# Altium PCB pololu_3pi+_jlcpcb.PcbDoc
Units mm, origin at the board's own origin, x right, y up, seen from the top; angles counter-clockwise.
Board outline 66 x 85.1 mm, 4 copper layers (Top Layer, GND, Power, Bottom Layer), stack 1.718 mm thick; 103 components, 62 nets, 329 pads, 128 vias.
Unrouted connection lines stored in the file: 13.
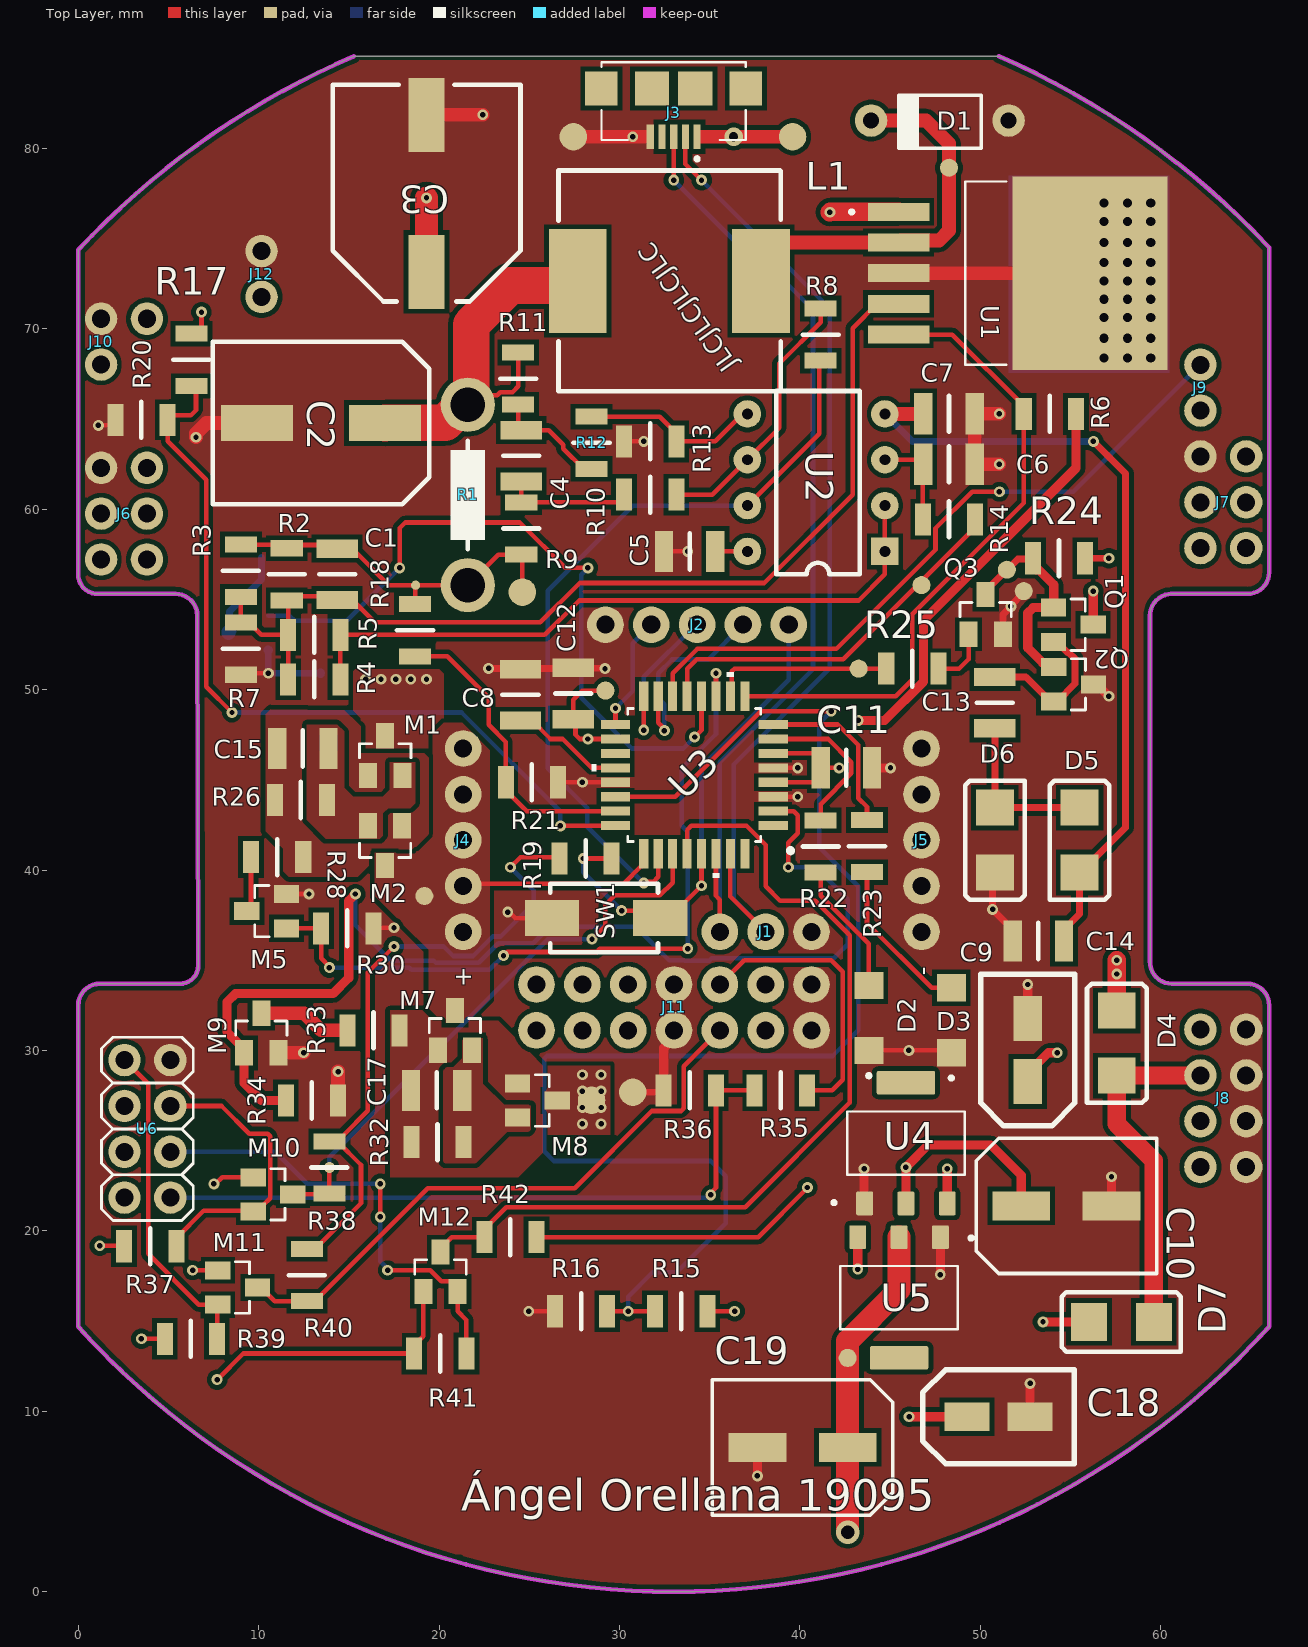
[diagram p0: Top Layer view]
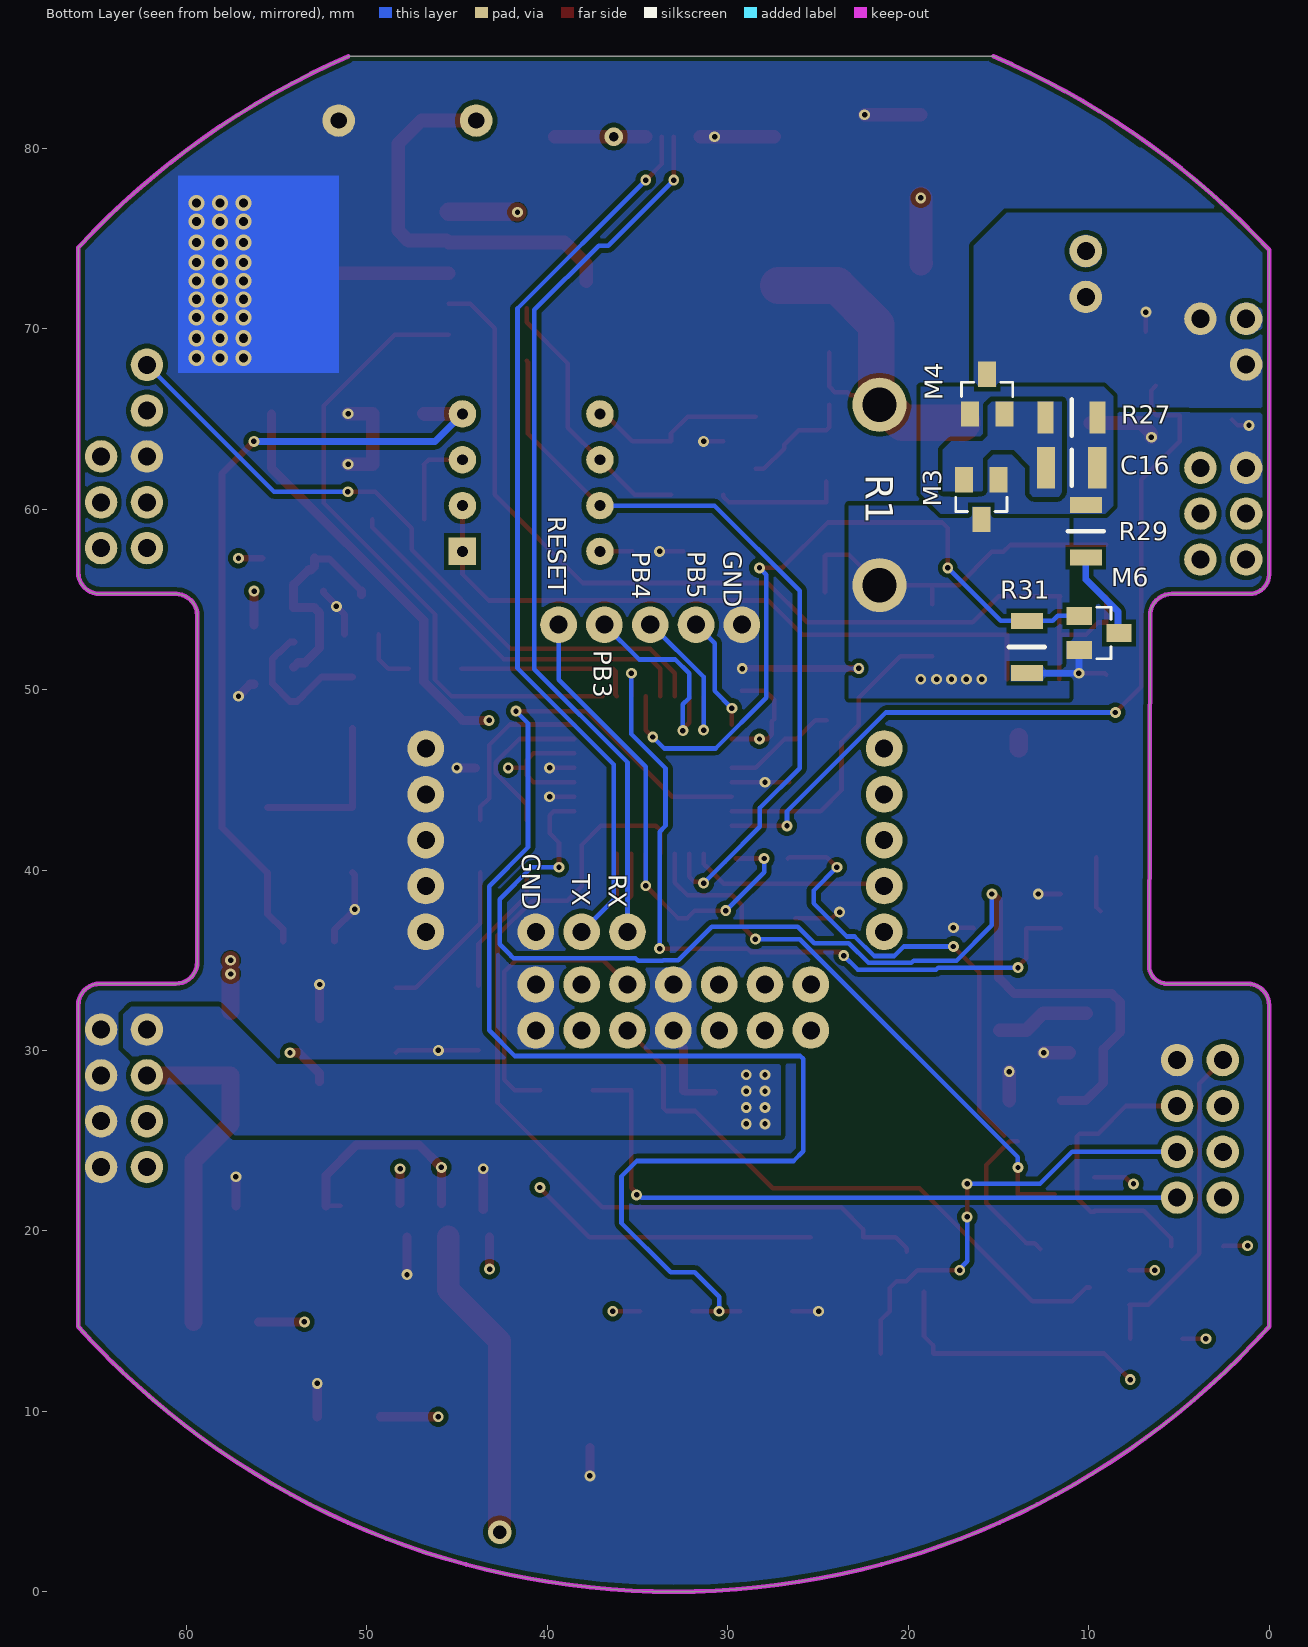
[diagram p1: Bottom Layer view, seen from below]
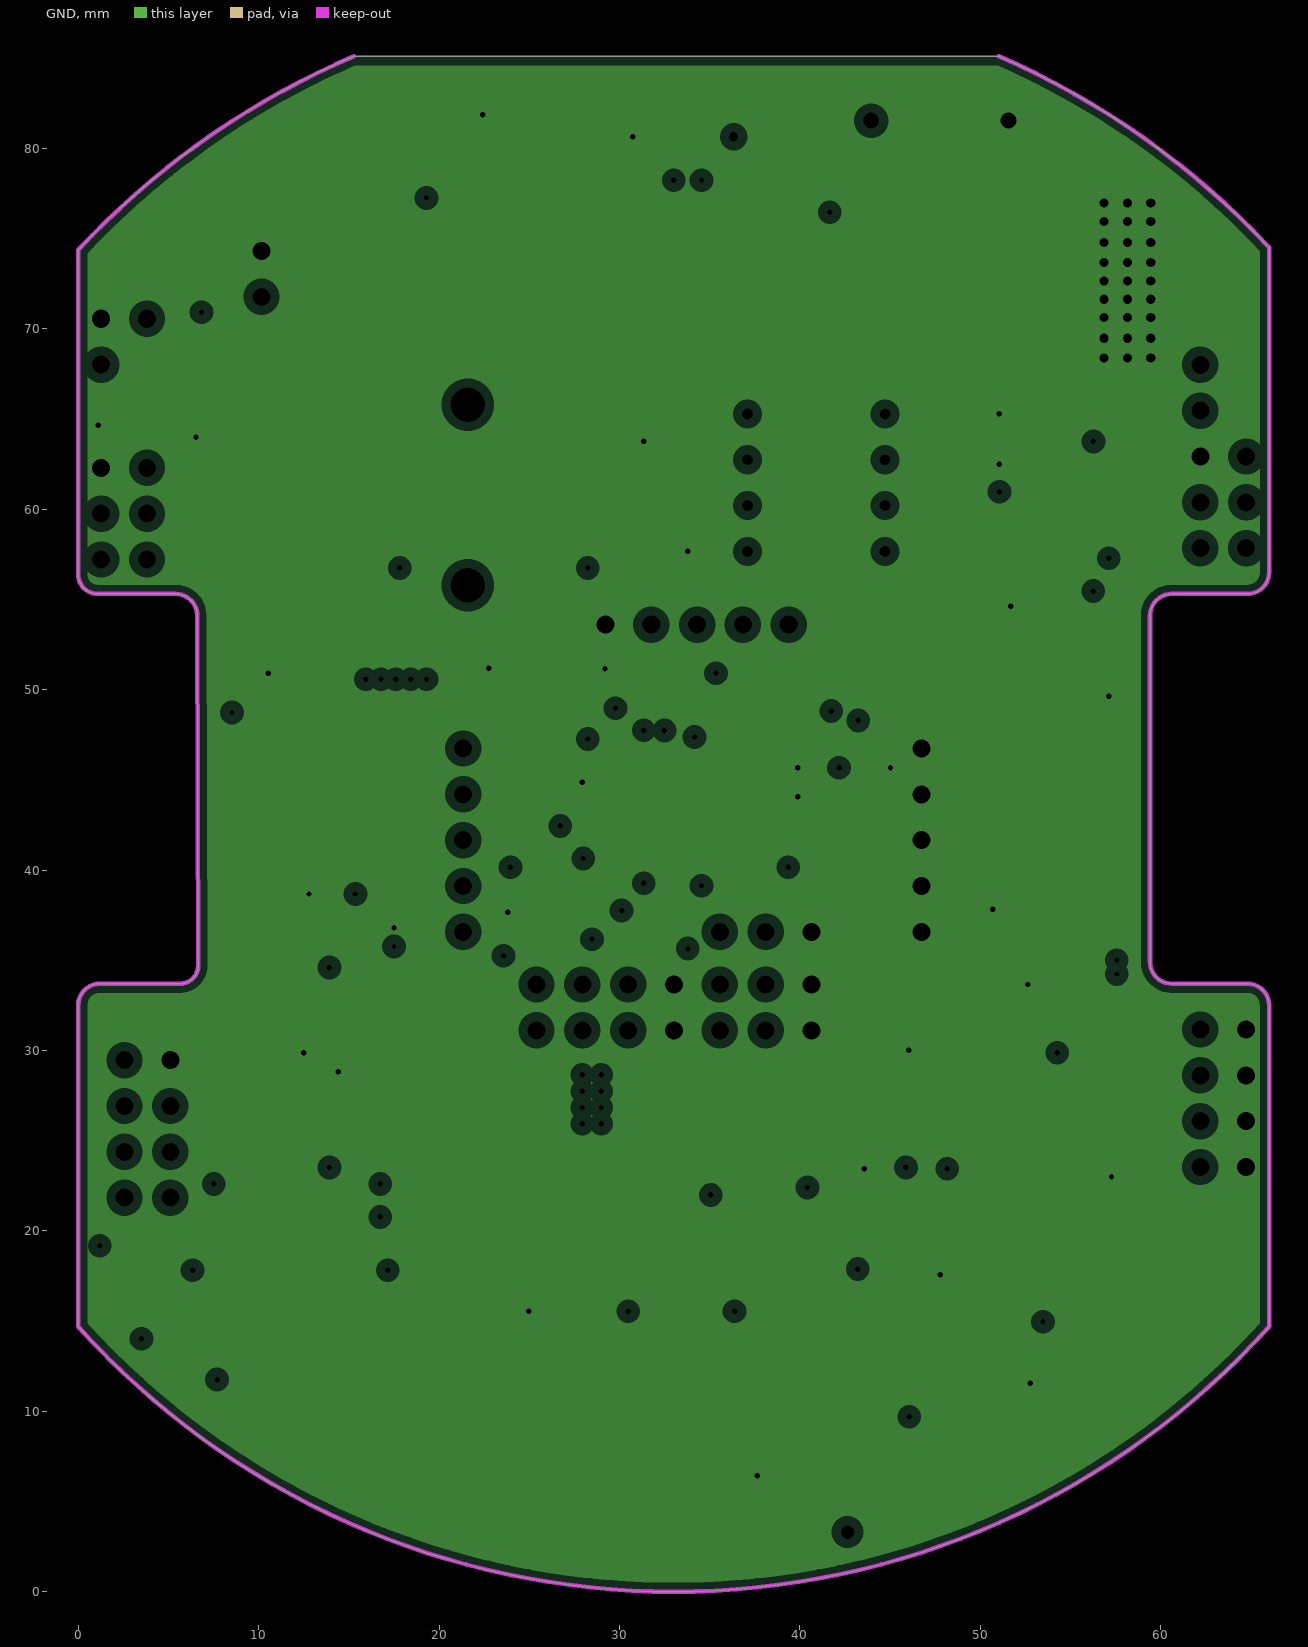
[diagram p2: GND, clearances drawn from the general rule]
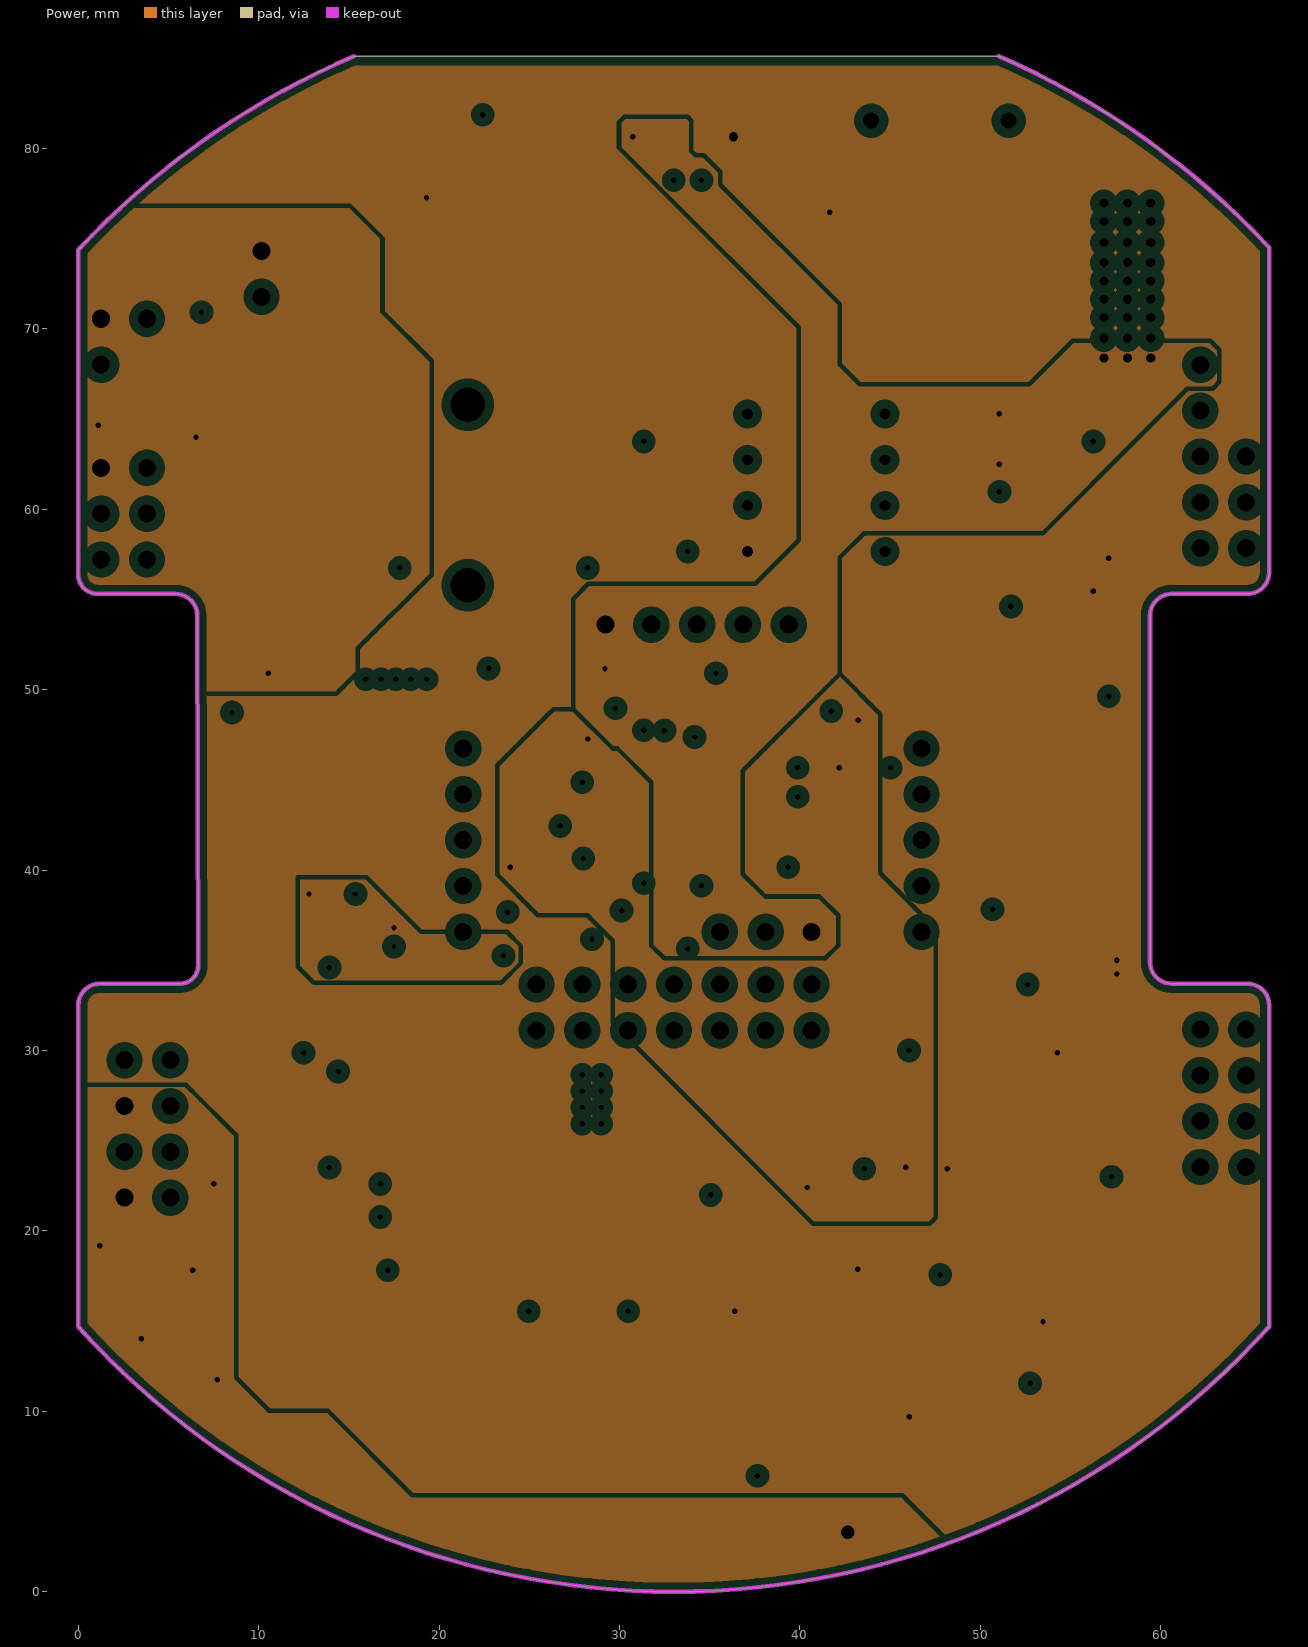
[diagram p3: Power, clearances drawn from the general rule]

## Layer stack, top to bottom
Top Solder: solder mask 0.03, Solder Resist, Dk 3.8
Top Layer: signal copper 0.035
Dielectric 2: prepreg 0.0711, PP-006, Dk 4.1
GND: plane copper 0.035, net GND
Dielectric 1: prepreg 0.203, 7628, Dk 4.4
Dielectric 3: core 1.03, 7628, Dk 4.6
Dielectric 5: prepreg 0.203, 7628, Dk 4.4
Power: plane copper 0.035, net (Multiple Nets)
Dielectric 4: prepreg 0.0711, PP-006, Dk 4.1
Bottom Layer: signal copper 0.035
Bottom Solder: solder mask 0.03, Solder Resist, Dk 3.8

## Board outline
0,14.695 0,32.525 0,32.5 cw(c1.2,32.5) 1.2,33.7 5.65,33.7 ccw(c5.65,34.702) 6.652,34.702 6.649,34.6 6.6,54.075 6.6,54.1 ccw(c5.4,54.1) 5.4,55.3 1.086,55.3 cw(c1.086,56.386) 0,56.386 0,74.366 0.002,74.366 cw(c33.001,43.624) 15.277,85.096 15.275,85.1 51,85.1 51.025,85.101 cw(c32.999,43.76) 66,74.5 66,56.5 cw(c64.8,56.5) 64.8,55.3 60.55,55.3 60.6,55.3 ccw(c60.6,54.1) 59.4,54.1 59.4,54.15 59.4,34.9 ccw(c60.6,34.9) 60.6,33.7 64.8,33.7 cw(c64.8,32.5) 66,32.5 66,32.525 66,14.695 cw(c33,44.4)

## Design rules (kind name [scope] priority, off if disabled: settings)
AcuteAngle [All] p1: minimum=9.00000000000000E+0001 checktracksonly=TRUE
BoardOutlineClearance [InNetClass('All Nets')] p1: gap=0.254 ignorepadtopadclearanceinfootprint=FALSE except(0: Arc-SplitContinuation Track-SplitContinuation SMDPad-SplitContinuation THPad-SplitContinuation Via-SplitContinuation Fill-SplitContinuation Poly-SplitContinuation Region-SplitContinuation Text-SplitContinuation; 0.3: Arc-OutlineEdge Track-OutlineEdge SMDPad-OutlineEdge THPad-OutlineEdge Via-OutlineEdge Fill-OutlineEdge Poly-OutlineEdge Region-OutlineEdge Text-OutlineEdge)
Clearance [All] p1: gap=0.254 ignorepadtopadclearanceinfootprint=FALSE except(0: Fill-Hole Poly-Hole Region-Hole Text-Hole; 0.127: Arc-Arc Arc-Track Arc-SMDPad Track-Track Track-SMDPad SMDPad-SMDPad; 0.2: Arc-THPad Track-THPad; 0.33: Arc-Hole Track-Hole; 0.5: THPad-THPad THPad-Hole Via-Hole)
ComponentClearance ComponentClearance_2 [InComponent('J5')] p1: gap=0 collisioncheckmode=3 verticalgap=0 showdistances=FALSE
ComponentClearance ComponentClearanceHeaders [InComponent('J8')] p2: gap=0 collisioncheckmode=3 verticalgap=0 showdistances=FALSE
ComponentClearance [InComponent('J7')] p3: gap=0 collisioncheckmode=3 verticalgap=0 showdistances=FALSE
ComponentClearance ComponentClearance_1 [InComponent('J4')] p4: gap=0 collisioncheckmode=3 verticalgap=0 showdistances=FALSE
HoleSize [IsVia] p1: absolutevalues=TRUE maxlimit=2.54 minlimit=0.3 maxpercent=80.000 minpercent=20.000
HoleSize HoleSizeDrill [IsPad] p2: absolutevalues=TRUE maxlimit=6.3 minlimit=0.5 maxpercent=80.000 minpercent=20.000
HoleToHoleClearance HoleToHoleClearanceVia [IsVia vs IsVia] p1: gap=0.254 allowstackedmicrovias=TRUE
HoleToHoleClearance "HoleToHoleClearance PAd" [All] p2: gap=0.5 allowstackedmicrovias=TRUE
MinimumAnnularRing MinimumAnnularRingVia [IsVia] p1: minimumring=0.15
MinimumAnnularRing MinimumAnnularRingPad [IsPad] p2: minimumring=0.3
MinimumSolderMaskSliver [All] p1: minsoldermaskwidth=0.1
PlaneClearance [All] p1: clearance=0.508
PlaneConnect [All] p1: planeconnectstyle=Direct reliefexpansion=0.508 reliefentries=4 reliefconductorwidth=0.254 reliefairgap=0.254
PolygonConnect [All] p1: connectstyle=Direct reliefconductorwidth=0.254 reliefentries=4 polygonreliefangle="90 Angle" airgapwidth=0.254
RoutingVias [All] p1: holewidth=0.3 width=0.6 viastyle="Through Hole" minholewidth=0.3 minwidth=0.6 maxholewidth=1 maxwidth=1.3
SilkToSolderMaskClearance [IsPad] p1: minsilkscreentomaskgap=0.15 clearancetoexposedcopper=TRUE
SolderMaskExpansion [All] p1: expansion=0 istentingtop=FALSE
Width [All] p1: maxlimit=2.54 minlimit=0.127 preferedwidth=0.254 minimp=50.000000 maximp=50.000000 favimp=50.000000
23 further rules are at their usual default settings.

## Classes and differential pairs
component class S6: C15 C16 C17 J4 J5 M1 M2 M3 M4 M5 M6 M7 M8 M9 R41 R42
component class S5: C13 C14 D5 D6 Q1 Q2 Q3 R41 R42
component class S4: C4 C5 C6 C7 R8 R9 R10 R11 R12 R13 R14 U2
component class S3: C1 C2 C3 D1 JLCJLCJLC R1 R2 R3 R4 R5 R6 R7 U1
component class S1: C8 C9 C10 C11 C12 D2 D3 D4 J1 J2 J3 R41 R42 SW1 U3 U4
component class Designator: C18 C19 D7 M10 M11 M12 R41 R42 U5 U6

## Components (designator, comment, footprint, x,y, rotation, side; value= is the part's Value field where it differs from the comment)
C1 "33nF" C1206 14.351,56.385 r90 top
C2 "220uF" "Electrolytic F" 13.456,64.77 r0 top
C3 "470uF" "ELECTROLYTIC G" 19.304,77.502 r270 top
C4 "1uF" C1206 24.554,62.954 r270 top
C5 "100nF" C1206 33.884,57.655 r0 top
C6 "100nF" C1206 48.26,62.484 r180 top
C7 "100nF" C1206 48.26,65.29 r0 top
C8 "100nF" C1206 24.511,49.713 r270 top
C9 "10uF" "Electrolytic B (D 4mm)" 52.621,30.025 r270 top
C10 "100uF" "ELECTROLYTIC D (D 6.3mm)" 54.762,21.387 r180 top
C11 "100nF" C1206 42.57,45.663 r180 top
C12 "100nF" C1206 27.432,49.784 r270 top
C13 "1uF" C1206 50.8,49.276 r270 top
C14 "1uF" C1206 53.213,36.068 r180 top
C15 "33nF" C1206 12.446,46.736 r0 top
C16 "33nF" C1206 10.947,62.29 r0 bottom
C17 "33nF" C1206 19.863,27.788 r0 top
C18 "10uF" "Electrolytic B (D 4mm)" 51.001,9.703 r180 top
C19 "100uF" "ELECTROLYTIC D (D 6.3mm)" 40.143,8.001 r0 top
D1 "1N5817" SOD81 51.562,81.534 r180 top
D2 "LED" LED_LTST-C230KRKT 43.815,31.801 r90 top
D3 "LED" LED_LTST-C230KRKT 48.387,31.674 r90 top
D4 "1N4007" DO214 57.556,30.404 r90 top
D5 "1N4007" DO214 55.499,41.656 r90 top
D6 "1N4007" DO214 50.8,41.656 r270 top
D7 "1N4007" DO214 57.81,14.961 r180 top
J1 "1X3 Connector" "1X3 Header-A" 35.56,36.576 r0 top
J2 "1X5 Connector" "1X5 Header-B" 39.378,53.594 r180 top
J3 "MicroUSB" "USB MICRO-B" 33,83.312 r180 top
J4 "1X5 Connector" "1X5 Header-C" 21.336,36.576 r90 top
J5 "1X5 Connector" "1X5 Header-C" 46.736,36.576 r90 top
J6 "2x3 Connector" "2X3 HEADER-D" 1.27,62.29 r270 top
J7 "2x3 Connector" "2X3 HEADER-D" 62.19,62.92 r270 top
J8 "2x4 Connector" "2X4 HEADER-D" 64.73,23.54 r90 top
J9 "1X2 connector" "1X2 HEADER-D" 62.19,68 r270 top
J10 "1X2 connector" "1X2 HEADER-D" 1.27,68.01 r90 top
J11 "2x7 connector" "2X7 HEADER-D" 25.4,31.115 r0 top
J12 "1X2 connector" "1X2 HEADER-D" 10.16,71.76 r90 top
L1 "68u" LSMD_POWER 32.766,72.644 r0 top
M1 "AO3401A" SOT23-3L 17.014,46.344 r270 top
M2 "AO3401A" SOT23-3L 17.006,41.351 r90 top
M3 "AO3401A" SOT23-3L 15.951,60.528 r90 bottom
M4 "AO3401A" SOT23-3L 15.627,66.371 r270 bottom
M5 "2N7002" SOT23-3L 10.447,37.719 r0 top
M6 "2N7002" SOT23-3L 9.423,53.137 r0 bottom
M7 "AO3401A" SOT23-3L 20.877,31.115 r270 top
M8 "AO3401A" SOT23-3L 25.451,27.229 r180 top
M9 "2N7002" SOT23-3L 10.147,30.969 r270 top
M10 "2N7002" SOT23-3L 10.795,22.022 r180 top
M11 "2N7002" SOT23-3L 8.839,16.866 r180 top
M12 "2N7002" SOT23-3L 20.076,17.737 r270 top
Q1 "MMBT5551" SOT23-3L 55.15,53.594 r180 top
Q2 "MMBT5401" SOT23-3L 55.161,50.292 r180 top
Q3 "MMBT5551" SOT23-3L 50.292,54.167 r270 top
R1 "15m" "Shunt 10mm" 21.59,65.786 r270 top
R2 "3K" R1206 11.557,56.385 r270 top
R3 "20K" R1206 9.017,56.588 r270 top
R4 "15K" R1206 13.081,50.568 r0 top
R5 "4.7K" R1206 13.081,53.032 r0 top
R6 "10K" R1206 53.848,65.278 r0 top
R7 "750" R1206 9.017,52.27 r270 top
R8 "33K" R1206 41.148,69.674 r270 top
R9 "10" R1206 24.554,58.928 r90 top
R10 "150" R1206 31.7,60.801 r0 top
R11 "10" R1206 24.384,67.234 r270 top
R12 "150" R1206 28.448,63.678 r90 top
R13 "33K" R1206 31.7,63.754 r180 top
R14 "22K" R1206 48.26,59.436 r180 top
R15 "47K" R1206 33.416,15.55 r0 top
R16 "10K" R1206 27.869,15.55 r0 top
R17 "10K" R1206 6.274,68.275 r270 top
R18 "10K" R1206 18.669,53.289 r270 top
R19 "10K" R1206 28.118,40.64 r0 top
R20 "30K" R1206 3.505,64.948 r180 top
R21 "30K" R1206 25.146,44.863 r0 top
R22 "330" R1206 41.148,41.304 r270 top
R23 "330" R1206 43.713,41.326 r270 top
R24 "1K" R1206 54.356,57.277 r180 top
R25 "1K" R1206 46.228,51.159 r180 top
R26 "10K" R1206 12.344,43.885 r180 top
R27 "10K" R1206 10.947,65.075 r180 bottom
R28 "10" R1206 11.024,40.716 r0 top
R29 "10" R1206 10.16,58.776 r90 bottom
R30 "10K" R1206 14.915,36.769 r0 top
R31 "10K" R1206 13.424,52.358 r270 bottom
R32 "10K" R1206 19.914,24.917 r180 top
R33 "10" R1206 16.363,31.115 r0 top
R34 "10K" R1206 12.954,27.229 r0 top
R35 "10K" R1206 38.938,27.788 r0 top
R36 "20K" R1206 33.896,27.788 r0 top
R37 "10K" R1206 3.988,19.152 r0 top
R38 "10K" R1206 13.92,23.513 r270 top
R39 "10K" R1206 6.248,14.021 r0 top
R40 "10K" R1206 12.675,17.551 r270 top
R41 "10K" R1206 20.066,13.208 r0 top
R42 "10K" R1206 23.952,19.652 r180 top
SW1 "Push Button" "6MM BUTTON" 32.258,37.338 r180 top
U1 "LM2596S-ADJ/NOPB" VREG_LM2596S-ADJ/NOPB 56.066,73.074 r0 top
U2 "TL082" DIP8 44.704,57.658 r180 top
U3 "ATMEGA328P-AU" TQFP32_32A_MCH-M 34.144,45.263 r180 top
U4 "AMS1117-5.0" SOT229P700X180-4N 45.872,24.867 r0 top
U5 "AMS1117-3.3" SOT229P700X180-4N 45.491,16.307 r180 top
U6 "ESP-01" ESP-01 3.835,25.654 r90 top

## Footprints (in the part's own frame and the unit in brackets; to place one, negate y for a bottom-side part, rotate by r counter-clockwise, add the part's x,y. Pads: shape width x height; smd on the part's side, far side on the other; paste and mask are expansions set on the pad)
"1X2 HEADER-D" [mm]
  round 1.8 hole 1: 1(0,0) 2(2.54,0)
  body extent -1.27,-1.27 3.81,1.27, height 8.89
"1X3 Header-A" [mil]
  round 80 hole 39.37: 1(0,0) 2(100,0) 3(200,0)
  body extent -49,-49 249,49, height 336
"1X5 Header-B" [mil]
  round 80 hole 39.37: 1(0,0) 2(100,0) 3(200,0) 4(300,0) 5(400,0)
  body extent -50,-50 450,50, height 95
"1X5 Header-C" [mil]
  round 80 hole 39.37: 1(0,0) 2(100,0) 3(200,0) 4(300,0) 5(400,0)
  body extent -60,-49 460,49, height 197
"2X3 HEADER-D" [mm]
  round 1.8 hole 1: 1(0,0) 2(2.54,0) 3(5.08,0) 4(5.08,2.54) 5(2.54,2.54) 6(0,2.54)
  body extent -1.27,-1.27 6.35,3.81, height 8.89
"2X4 HEADER-D" [mm]
  round 1.8 hole 1: 1(0,0) 2(2.54,0) 3(5.08,0) 4(7.62,0) 5(7.62,2.54) 6(5.08,2.54) 7(2.54,2.54) 8(0,2.54)
  body extent -1.27,-1.27 8.89,3.81, height 8.89
"2X7 HEADER-D" [mil]
  round 80 hole 39.37: 1(0,0) 2(100,0) 3(200,0) 4(300,0) 5(400,0) 6(500,0) 7(600,0) 8(600,100) 9(500,100) 10(400,100) 11(300,100) 12(200,100) 13(100,100) 14(0,100)
  body extent -50,-50 650,150, height 350
"6MM BUTTON" [mm]
  rect 3x2 smd: 1(0,0) 2(6,0)
  silkscreen extent 0.13,-1.91 6.1,1.91, body extent -1,-1.75 7,1.75, height 2.5
C1206 [mil]
  rect 40x90 smd: 1(-56,0) 2(56,0)
  silkscreen extent 0,-39 0,39, body extent -63,-31 63,31, height 32
DIP8 [mil]
  rect 60x60 hole 23.62: 1(0,0)
  round 60 hole 23.62: 2(0,-100) 3(0,-200) 4(0,-300) 5(300,-300) 6(300,-200) 7(300,-100) 8(300,0)
  silkscreen extent 55,-350 237,50, body extent -5,-331 305,31, height 152
DO214 [mm]
  rect 2x2.1 smd: 1(-1.8,0) 2(1.8,0)
  silkscreen extent -3.3,-1.65 3.3,1.65, body extent -2.6,-1.45 2.6,1.45, height 2.3
"Electrolytic B (D 4mm)" [mm]
  rect 2.5x1.6 smd: 1(-1.75,0) 2(1.75,0)
  silkscreen extent -4.2,-2.6 4.2,2.6, body extent -2.75,-2.25 2.75,2.25, height 5.5
"ELECTROLYTIC D (D 6.3mm)" [mm]
  rect 3.2x1.6 smd: 1(-2.5,0) 2(2.5,0)
  silkscreen extent -5,-3.75 5,3.75, body extent -3.9,-3.4 3.9,3.4, height 5.5
"Electrolytic F" [mm] "8x10.2 mm"
  rect 4x2 smd: 1(-3.55,0) 2(3.55,0)
  silkscreen extent -6,-4.5 6,4.5, body extent -5,-4.25 5,4.25, height 10.5
"ELECTROLYTIC G" [mm] "10x10.2 mm"
  rect 4.1x2 smd: 1(-4.35,0) 2(4.35,0)
  silkscreen extent -6.02,-5.21 5.99,5.21, body extent -6,-5.25 6,5.25, height 10.5
ESP-01 [mm]
  round 1.8 hole 1: 1(-3.81,-1.27) 2(-3.81,1.27) 3(-1.27,-1.27) 4(-1.27,1.27) 5(1.27,-1.27) 6(1.27,1.27) 7(3.81,-1.27) 8(3.81,1.27)
  silkscreen extent -5.08,-2.54 5.08,2.54, body extent -7.39,-2.74 7.01,21.96, height 15.14
LED_LTST-C230KRKT [mm]
  rect 1.5x1.6 smd: A(1.8,0) C(-1.8,0)
  silkscreen extent -3.3,-0.1 -3.1,0.1, body extent -1.6,-0.8 1.6,0.8, height 1.1